# Altium PCB IntelligentCarFor51PcbDoc.PcbDoc (part 6 of 14) (continued)
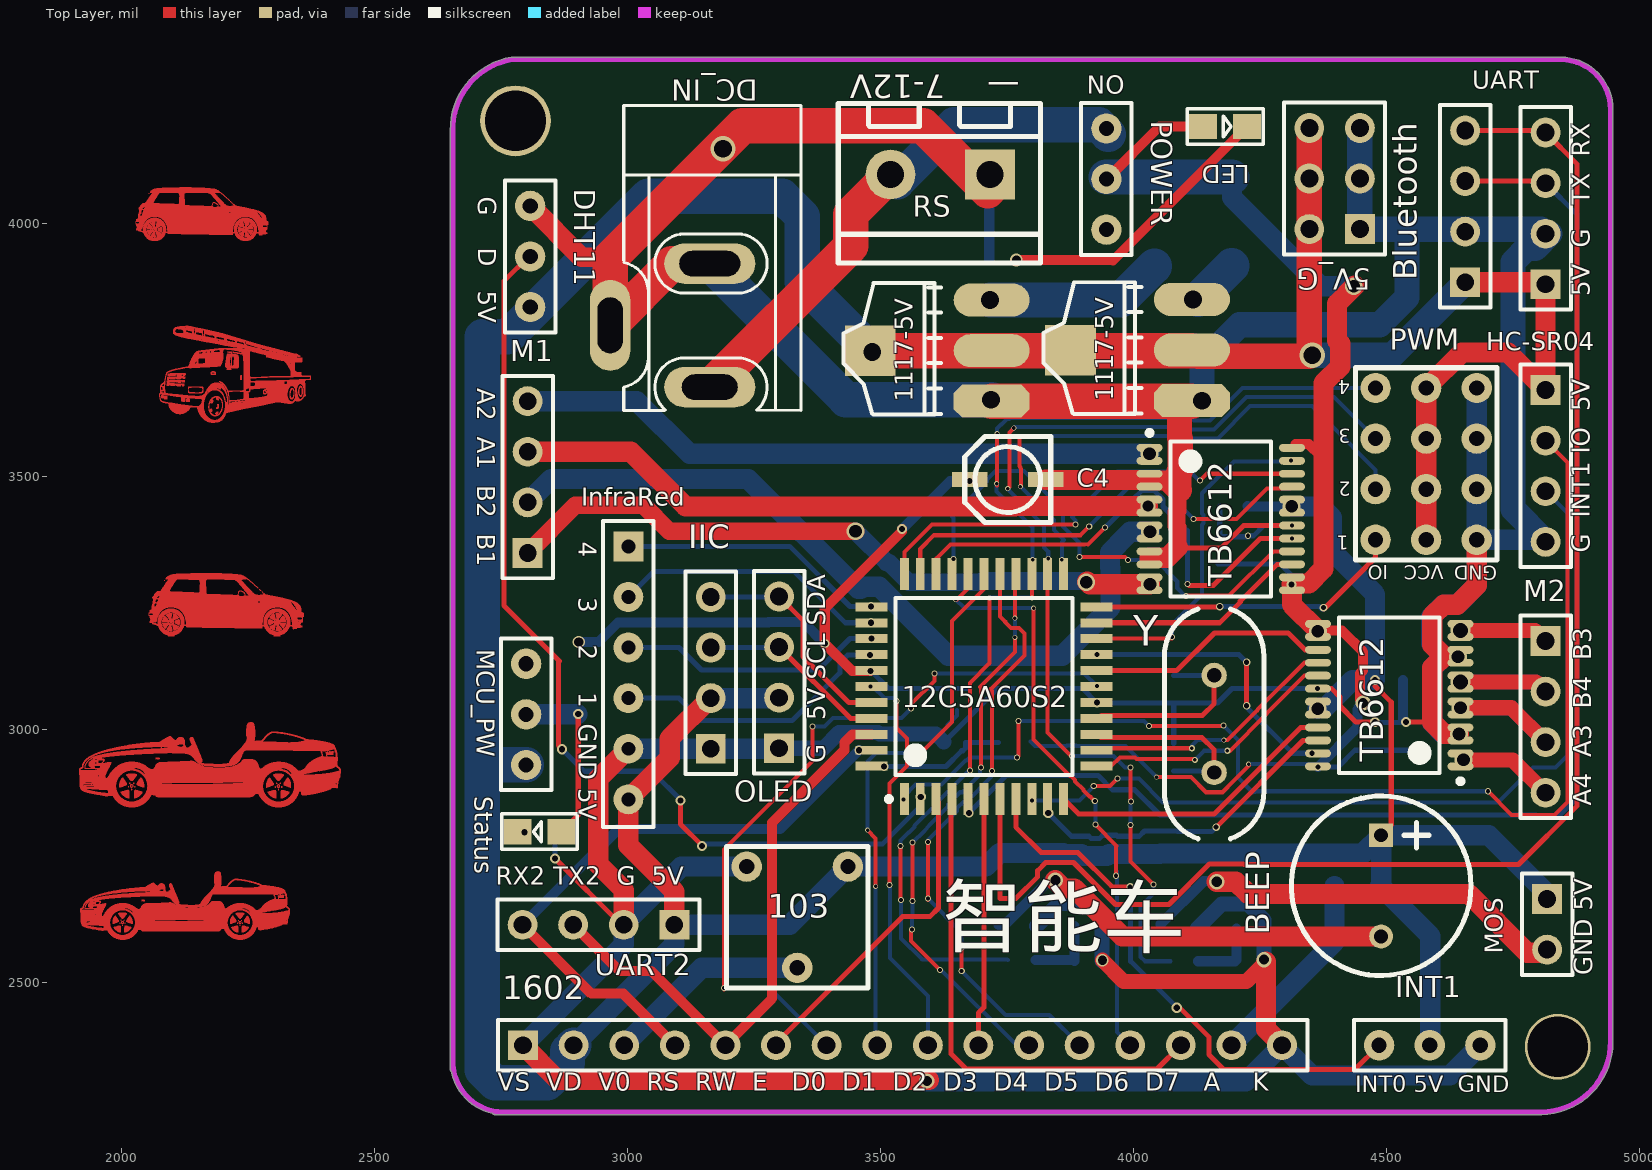
[diagram p0: Top Layer view]
## Nets (pads, with @x,y where several pads share a name; then routed paths per layer and width w, separated by ;. In a path a pad name is that pad's centre, name@x,y a point inside that pad or via, vN(x,y) a via of type N, cw(c..) or ccw(c..) an arc to the next point about the centre after c; other vN are vias at no path point) (continued)
2265.4,3983.2 ; 2260.9,3983.5 2265.4,3983.5 ; 2260.9,3994.6 2265.4,3994.6 ; 2260.9,3994.9 2265.4,3994.9 ; 2260.9,3995.2 2265.1,3995.2 ; 2260.9,4003.6 2262.4,4003.6 ; 2260.9,4009.6 2265.1,4009.6 ; 2261.2,3974.8 2262.7,3974.8 ; 2261.2,3983.8 2265.4,3983.8 ; 2261.2,3984.1 2265.4,3984.1 ; 2261.2,3984.4 2265.7,3984.4 ; 2261.2,3993.7 2265.7,3993.7 ; 2261.2,3994 2265.7,3994 ; 2261.2,3994.3 2265.4,3994.3 ; 2261.2,4003.3 2262.7,4003.3 ; 2261.2,4012.9 2272.9,4012.9 ; 2261.2,4017.4 2269.3,4017.4 ; 2261.3,3758.8 2280.8,3758.8 ; 2261.5,3975.1 2262.7,3975.1 ; 2261.5,3975.4 2263,3975.4 ; 2261.5,3984.7 2265.7,3984.7 ; 2261.5,3985 2265.7,3985 ; 2261.5,3985.3 2265.7,3985.3 ; 2261.5,3985.6 2266,3985.6 ; 2261.5,3992.5 2266,3992.5 ; 2261.5,3992.8 2265.7,3992.8 ; 2261.5,3993.1 2265.7,3993.1 ; 2261.5,3993.4 2265.7,3993.4 ; 2261.5,4003 2263,4003 ; 2261.5,4009.3 2265.4,4009.3 ; 2261.5,4026.7 2265.4,4026.7 ; 2261.6,3687.1 2321.6,3687.1 ; 2261.8,3975.7 2263.3,3975.7 ; 2261.8,3985.9 2266,3985.9 ; 2261.8,3986.2 2266,3986.2 ; 2261.8,3986.5 2266,3986.5 ; 2261.8,3986.8 2266,3986.8 ; 2261.8,3987.1 2266,3987.1 ; 2261.8,3987.4 2266,3987.4 ; 2261.8,3987.7 2266,3987.7 ; 2261.8,3988 2266,3988 ; 2261.8,3988.3 2266,3988.3 ; 2261.8,3989.8 2266,3989.8 ; 2261.8,3990.1 2266,3990.1 ; 2261.8,3990.4 2266,3990.4 ; 2261.8,3990.7 2266,3990.7 ; 2261.8,3991 2266,3991 ; 2261.8,3991.3 2266,3991.3 ; 2261.8,3991.6 2266,3991.6 ; 2261.8,3991.9 2266,3991.9 ; 2261.8,3992.2 2266,3992.2 ; 2261.8,4002.4 2263.3,4002.4 ; 2261.8,4002.7 2263,4002.7 ; 2261.8,4009 2265.7,4009 ; 2261.8,4017.1 2269.6,4017.1 ; 2261.9,3747.1 2281.4,3747.1 ; 2261.9,3752.8 2273.6,3752.8 ; 2262.1,3976 2263.6,3976 ; 2262.1,3988.6 2266.3,3988.6 ; 2262.1,3988.9 2266.3,3988.9 ; 2262.1,3989.2 2266.3,3989.2 ; 2262.1,3989.5 2266,3989.5 ; 2262.1,4002.1 2263.6,4002.1 ; 2262.1,4008.7 2270.5,4008.7 ; 2262.2,3655.3 2328.8,3655.3 ; 2262.2,3758.5 2282,3758.5 ; 2262.4,3976.3 2263.9,3976.3 ; 2262.4,3976.6 2263.9,3976.6 ; 2262.4,4001.8 2263.9,4001.8 ; 2262.4,4008.4 2266,4008.4 ; 2262.4,4012 2267.8,4012 ; 2262.4,4016.8 2269.9,4016.8 ; 2262.7,3976.9 2264.2,3976.9 ; 2262.7,4001.2 2264.2,4001.2 ; 2262.7,4001.5 2263.9,4001.5 ; 2262.7,4008.1 2270.8,4008.1 ; 2262.7,4016.5 2270.2,4016.5 ; 2262.7,4026.4 2266.6,4026.4 ; 2262.8,3746.8 2282.3,3746.8 ; 2262.8,3752.5 2273.9,3752.5 ; 2263,3977.2 2264.5,3977.2 ; 2263,4000.9 2264.5,4000.9 ; 2263,4007.8 2266.6,4007.8 ; 2263.1,3679 2333.6,3679 ; 2263.1,3758.2 2283.2,3758.2 ; 2263.3,3977.5 2264.5,3977.5 ; 2263.3,3977.8 2264.8,3977.8 ; 2263.3,4000.3 2264.8,4000.3 ; 2263.3,4000.6 2264.5,4000.6 ; 2263.3,4007.5 2266.9,4007.5 ; 2263.3,4016.2 2270.5,4016.2 ; 2263.4,3686.8 2321.6,3686.8 ; 2263.6,3978.1 2264.8,3978.1 ; 2263.6,4000 2264.8,4000 ; 2263.6,4007.2 2271.4,4007.2 ; 2263.6,4011.1 2274.4,4011.1 ; 2263.6,4026.1 2267.5,4026.1 ; 2263.9,3978.4 2265.1,3978.4 ; 2263.9,3978.7 2265.1,3978.7 ; 2263.9,3999.4 2265.1,3999.4 ; 2263.9,3999.7 2265.1,3999.7 ; 2263.9,4006.9 2278.9,4006.9 ; 2263.9,4010.8 2269,4010.8 ; 2264,3686.5 2321.6,3686.5 ; 2264,3746.5 2283.2,3746.5 ; 2264,3752.2 2274.5,3752.2 ; 2264,3757.9 2284.4,3757.9 ; 2264.2,3979 2265.4,3979 ; 2264.2,3979.3 2265.4,3979.3 ; 2264.2,3998.8 2265.7,3998.8 ; 2264.2,3999.1 2265.4,3999.1 ; 2264.2,4006.3 2272,4006.3 ; 2264.2,4006.6 2267.5,4006.6 ; 2264.2,4015.6 2270.8,4015.6 ; 2264.5,3979.6 2265.7,3979.6 ; 2264.5,3979.9 2265.7,3979.9 ; 2264.5,3998.2 2265.7,3998.2 ; 2264.5,3998.5 2265.7,3998.5 ; 2264.5,4006 2267.8,4006 ; 2264.5,4010.5 2269,4010.5 ; 2264.5,4015.3 2271.1,4015.3 ; 2264.6,3679.3 2334.2,3679.3 ; 2264.6,3679.6 2334.8,3679.6 ; 2264.6,3679.9 2335.4,3679.9 ; 2264.6,3685.9 2321.9,3685.9 ; 2264.6,3686.2 2321.6,3686.2 ; 2264.6,3696.4 2282.6,3696.4 ; 2264.8,3980.2 2266,3980.2 ; 2264.8,3980.5 2266,3980.5 ; 2264.8,3980.8 2266.3,3980.8 ; 2264.8,3997.6 2266,3997.6 ; 2264.8,3997.9 2266,3997.9 ; 2264.8,4005.7 2268.1,4005.7 ; 2264.8,4025.8 2268.4,4025.8 ; 2264.9,3655.6 2328.8,3655.6 ; 2264.9,3680.2 2348.6,3680.2 ; 2264.9,3680.5 2348.9,3680.5 ; 2264.9,3680.8 2348.9,3680.8 ; 2264.9,3681.1 2349.2,3681.1 ; 2264.9,3681.4 2349.5,3681.4 ; 2264.9,3681.7 2349.8,3681.7 ; 2264.9,3682 2349.8,3682 ; 2264.9,3682.3 2350.1,3682.3 ; 2264.9,3682.6 2350.4,3682.6 ; 2264.9,3682.9 2322.5,3682.9 ; 2264.9,3683.2 2322.2,3683.2 ; 2264.9,3684.7 2321.9,3684.7 ; 2264.9,3685 2321.9,3685 ; 2264.9,3685.3 2321.9,3685.3 ; 2264.9,3685.6 2321.9,3685.6 ; 2264.9,3757.6 2285.6,3757.6 ; 2265.1,3981.1 2266.3,3981.1 ; 2265.1,3981.4 2266.3,3981.4 ; 2265.1,3996.7 2266.3,3996.7 ; 2265.1,3997 2266.3,3997 ; 2265.1,3997.3 2266.3,3997.3 ; 2265.1,4005.1 2268.4,4005.1 ; 2265.1,4005.4 2268.4,4005.4 ; 2265.1,4009.9 2269.6,4009.9 ; 2265.2,3683.5 2322.2,3683.5 ; 2265.2,3683.8 2321.9,3683.8 ; 2265.2,3684.1 2321.9,3684.1 ; 2265.2,3684.4 2321.9,3684.4 ; 2265.2,3746.2 2297.6,3746.2 ; 2265.2,3751.9 2275.4,3751.9 ; 2265.4,3981.7 2266.6,3981.7 ; 2265.4,3982 2266.6,3982 ; 2265.4,3982.3 2288.2,3982.3 ; 2265.4,3995.8 2266.6,3995.8 ; 2265.4,3996.1 2266.6,3996.1 ; 2265.4,3996.4 2266.6,3996.4 ; 2265.4,4004.5 2272.9,4004.5 ; 2265.4,4004.8 2268.7,4004.8 ; 2265.4,4009.6 2269.9,4009.6 ; 2265.4,4014.7 2271.4,4014.7 ; 2265.7,3982.6 2286.1,3982.6 ; 2265.7,3982.9 2271.1,3982.9 ; 2265.7,3983.2 2268.4,3983.2 ; 2265.7,3994.9 2266.9,3994.9 ; 2265.7,3995.2 2266.9,3995.2 ; 2265.7,3995.5 2266.9,3995.5 ; 2265.7,4004.2 2269,4004.2 ; 2265.7,4009.3 2269.9,4009.3 ; 2265.7,4014.4 2271.7,4014.4 ; 2265.7,4023.7 2267.5,4023.7 ; 2265.7,4024 2267.5,4024 ; 2265.7,4024.3 2267.5,4024.3 ; 2265.7,4024.6 2267.2,4024.6 ; 2265.7,4024.9 2266.3,4024.9 ; 2265.7,4025.5 2269.3,4025.5 ; 2265.8,3688.9 2321.6,3688.9 ; 2265.8,3757.3 2286.8,3757.3 ; 2266,3983.5 2267.2,3983.5 ; 2266,3983.8 2267.2,3983.8 ; 2266,3984.1 2267.2,3984.1 ; 2266,3984.4 2267.2,3984.4 ; 2266,3984.7 2267.2,3984.7 ; 2266,3993.4 2267.2,3993.4 ; 2266,3993.7 2267.2,3993.7 ; 2266,3994 2267.2,3994 ; 2266,3994.3 2267.2,3994.3 ; 2266,3994.6 2267.2,3994.6 ; 2266,4003.6 2290,4003.6 ; 2266,4003.9 2290,4003.9 ; 2266,4009 2270.2,4009 ; 2266,4014.1 2272,4014.1 ; 2266,4023.1 2267.8,4023.1 ; 2266,4023.4 2267.5,4023.4 ; 2266.1,3751.6 2276.6,3751.6 ; 2266.3,3985 2267.5,3985 ; 2266.3,3985.3 2267.5,3985.3 ; 2266.3,3985.6 2267.5,3985.6 ; 2266.3,3985.9 2267.5,3985.9 ; 2266.3,3986.2 2267.5,3986.2 ; 2266.3,3986.5 2267.5,3986.5 ; 2266.3,3991.9 2267.5,3991.9 ; 2266.3,3992.2 2267.5,3992.2 ; 2266.3,3992.5 2267.5,3992.5 ; 2266.3,3992.8 2267.5,3992.8 ; 2266.3,3993.1 2267.5,3993.1 ; 2266.3,4003.3 2286.4,4003.3 ; 2266.3,4008.4 2277.1,4008.4 ; 2266.3,4013.8 2272.3,4013.8 ; 2266.3,4022.5 2268.1,4022.5 ; 2266.3,4022.8 2267.8,4022.8 ; 2266.3,4025.2 2270.2,4025.2 ; 2266.4,3745.9 2299.1,3745.9 ; 2266.4,3757 2287.7,3757 ; 2266.6,3986.8 2267.8,3986.8 ; 2266.6,3987.1 2267.8,3987.1 ; 2266.6,3987.4 2267.8,3987.4 ; 2266.6,3987.7 2267.8,3987.7 ; 2266.6,3988 2267.8,3988 ; 2266.6,3988.3 2267.8,3988.3 ; 2266.6,3988.6 2267.8,3988.6 ; 2266.6,3988.9 2267.8,3988.9 ; 2266.6,3989.2 2267.8,3989.2 ; 2266.6,3989.5 2267.8,3989.5 ; 2266.6,3989.8 2267.8,3989.8 ; 2266.6,3990.1 2267.8,3990.1 ; 2266.6,3990.4 2267.8,3990.4 ; 2266.6,3990.7 2267.8,3990.7 ; 2266.6,3991 2267.8,3991 ; 2266.6,3991.3 2267.5,3991.3 ; 2266.6,3991.6 2267.5,3991.6 ; 2266.6,4002.7 2286.4,4002.7 ; 2266.6,4003 2273.5,4003 ; 2266.6,4013.5 2272.6,4013.5 ; 2266.6,4022.2 2268.1,4022.2 ; 2266.9,4002.1 2286.4,4002.1 ; 2266.9,4002.4 2269.9,4002.4 ; 2266.9,4007.8 2271.1,4007.8 ; 2266.9,4013.2 2272.6,4013.2 ; 2266.9,4021.6 2268.4,4021.6 ; 2266.9,4021.9 2268.4,4021.9 ; 2267.2,4001.5 2274.1,4001.5 ; 2267.2,4001.8 2270.2,4001.8 ; 2267.2,4007.5 2271.1,4007.5 ; 2267.2,4021.3 2268.7,4021.3 ; 2267.2,4024.9 2271.1,4024.9 ; 2267.3,3655.9 2328.8,3655.9 ; 2267.3,3751.3 2277.5,3751.3 ; 2267.3,3756.7 2288.9,3756.7 ; 2267.5,4000.6 2286.7,4000.6 ; 2267.5,4000.9 2270.5,4000.9 ; 2267.5,4001.2 2286.7,4001.2 ; 2267.5,4020.7 2269,4020.7 ; 2267.5,4021 2268.7,4021 ; 2267.5,4024.6 2272,4024.6 ; 2267.6,3745.6 2300.6,3745.6 ; 2267.8,4000 2274.7,4000 ; 2267.8,4000.3 2286.7,4000.3 ; 2267.8,4006.6 2282.5,4006.6 ; 2267.8,4012.3 2273.5,4012.3 ; 2267.8,4020.4 2269,4020.4 ; 2268.1,3999.1 2287.9,3999.1 ; 2268.1,3999.4 2287.3,3999.4 ; 2268.1,3999.7 2271.1,3999.7 ; 2268.1,4012 2273.8,4012 ; 2268.1,4019.8 2269.6,4019.8 ; 2268.1,4020.1 2269.3,4020.1 ; 2268.1,4024.3 2272.6,4024.3 ; 2268.2,3756.4 2290.1,3756.4 ; 2268.4,3998.5 2271.4,3998.5 ; 2268.4,3998.8 2288.5,3998.8 ; 2268.4,4005.7 2286.7,4005.7 ; 2268.4,4006 2272,4006 ; 2268.4,4011.7 2274.1,4011.7 ; 2268.4,4019.5 2269.9,4019.5 ; 2268.5,3751 2278.7,3751 ; 2268.7,3982 2278.3,3982 ; 2268.7,3997.6 2288.8,3997.6 ; 2268.7,3997.9 2288.8,3997.9 ; 2268.7,3998.2 2289.1,3998.2 ; 2268.7,4005.1 2272.6,4005.1 ; 2268.7,4005.4 2287,4005.4 ; 2268.7,4018.9 2270.2,4018.9 ; 2268.7,4019.2 2269.9,4019.2 ; 2268.7,4024 2273.5,4024 ; 2268.8,3745.3 2301.8,3745.3 ; 2269,3996.7 2279.2,3996.7 ; 2269,3997 2279.5,3997 ; 2269,3997.3 2280.1,3997.3 ; 2269,4004.8 2288.8,4004.8 ; 2269,4018.6 2270.5,4018.6 ; 2269.1,3756.1 2291.3,3756.1 ; 2269.3,3995.8 2279.2,3995.8 ; 2269.3,3996.1 2279.2,3996.1 ; 2269.3,3996.4 2279.2,3996.4 ; 2269.3,4004.2 2289.7,4004.2 ; 2269.3,4010.5 2275,4010.5 ; 2269.3,4010.8 2274.7,4010.8 ; 2269.3,4018.3 2270.5,4018.3 ; 2269.3,4023.7 2274.1,4023.7 ; 2269.4,3656.2 2328.5,3656.2 ; 2269.4,3750.7 2279.6,3750.7 ; 2269.6,3994.6 2279.5,3994.6 ; 2269.6,3994.9 2279.5,3994.9 ; 2269.6,3995.2 2279.2,3995.2 ; 2269.6,3995.5 2279.2,3995.5 ; 2269.6,4010.2 2275.3,4010.2 ; 2269.6,4017.7 2271.1,4017.7 ; 2269.6,4018 2270.8,4018 ; 2269.6,4023.4 2274.7,4023.4 ; 2269.7,3755.8 2292.5,3755.8 ; 2269.9,3993.4 2279.8,3993.4 ; 2269.9,3993.7 2279.5,3993.7 ; 2269.9,3994 2279.5,3994 ; 2269.9,3994.3 2279.5,3994.3 ; 2269.9,4009.9 2275.6,4009.9 ; 2269.9,4017.4 2271.4,4017.4 ; 2269.9,4023.1 2275.3,4023.1 ; 2270,3745 2303,3745 ; 2270,3755.5 2293.7,3755.5 ; 2270.2,3992.2 2288.8,3992.2 ; 2270.2,3992.5 2288.5,3992.5 ; 2270.2,3992.8 2280.7,3992.8 ; 2270.2,3993.1 2280.1,3993.1 ; 2270.2,4002.4 2273.8,4002.4 ; 2270.2,4009.3 2276.2,4009.3 ; 2270.2,4009.6 2275.9,4009.6 ; 2270.2,4017.1 2271.4,4017.1 ; 2270.2,4022.8 2275.9,4022.8 ; 2270.3,3755.2 2294.9,3755.2 ; 2270.5,3990.4 2281.3,3990.4 ; 2270.5,3990.7 2281.9,3990.7 ; 2270.5,3991 2282.2,3991 ; 2270.5,3991.3 2288.8,3991.3 ; 2270.5,3991.6 2288.5,3991.6 ; 2270.5,3991.9 2288.5,3991.9 ; 2270.5,4001.8 2286.4,4001.8 ; 2270.5,4009 2276.5,4009 ; 2270.5,4016.8 2271.7,4016.8 ; 2270.6,3750.4 2280.8,3750.4 ; 2270.6,3753.7 2273,3753.7 ; 2270.6,3754 2273,3754 ; 2270.6,3754.3 2273,3754.3 ; 2270.6,3754.6 2273.3,3754.6 ; 2270.6,3754.9 2273.9,3754.9 ; 2270.8,3988.9 2280.7,3988.9 ; 2270.8,3989.2 2280.7,3989.2 ; 2270.8,3989.5 2281,3989.5 ; 2270.8,3989.8 2281,3989.8 ; 2270.8,3990.1 2281.3,3990.1 ; 2270.8,4000.9 2286.7,4000.9 ; 2270.8,4008.7 2276.8,4008.7 ; 2270.8,4016.2 2272.3,4016.2 ; 2270.8,4016.5 2272,4016.5 ; 2270.8,4022.5 2276.8,4022.5 ; 2270.9,3696.7 2288.3,3696.7 ; 2271.1,3986.8 2278,3986.8 ; 2271.1,3987.1 2281,3987.1 ; 2271.1,3987.4 2280.7,3987.4 ; 2271.1,3987.7 2280.7,3987.7 ; 2271.1,3988 2280.4,3988 ; 2271.1,3988.3 2280.7,3988.3 ; 2271.1,3988.6 2280.7,3988.6 ; 2271.1,4008.1 2277.4,4008.1 ; 2271.1,4015.9 2272.3,4015.9 ; 2271.1,4022.2 2277.1,4022.2 ; 2271.2,3744.7 2304.2,3744.7 ; 2271.4,3981.7 2278.9,3981.7 ; 2271.4,3984.4 2284.9,3984.4 ; 2271.4,3984.7 2284.6,3984.7 ; 2271.4,3985 2284.6,3985 ; 2271.4,3985.3 2284.9,3985.3 ; 2271.4,3985.6 2280.4,3985.6 ; 2271.4,3985.9 2284.9,3985.9 ; 2271.4,3986.2 2278.9,3986.2 ; 2271.4,3986.5 2278.6,3986.5 ; 2271.4,3999.7 2287.3,3999.7 ; 2271.4,4007.5 2278,4007.5 ; 2271.4,4007.8 2277.7,4007.8 ; 2271.4,4015.6 2272.6,4015.6 ; 2271.4,4021.9 2277.7,4021.9 ; 2271.7,3982.9 2276.5,3982.9 ; 2271.7,3983.2 2276.2,3983.2 ; 2271.7,3983.5 2275.9,3983.5 ; 2271.7,3983.8 2275.6,3983.8 ; 2271.7,3984.1 2275.3,3984.1 ; 2271.7,3998.5 2290.3,3998.5 ; 2271.7,4007.2 2278.3,4007.2 ; 2271.7,4015 2273.2,4015 ; 2271.7,4015.3 2272.9,4015.3 ; 2271.7,4021.6 2278.3,4021.6 ; 2271.8,3656.5 2328.5,3656.5 ; 2271.8,3689.2 2321.9,3689.2 ; 2271.8,3750.1 2281.7,3750.1 ; 2272,3979.9 2278.9,3979.9 ; 2272,3980.2 2283.4,3980.2 ; 2272,3980.5 2287.9,3980.5 ; 2272,3980.8 2287.9,3980.8 ; 2272,3981.1 2280.4,3981.1 ; 2272,3981.4 2287.9,3981.4 ; 2272,4014.7 2273.5,4014.7 ; 2272,4021.3 2278.9,4021.3 ; 2272.3,3978.4 2278.6,3978.4 ; 2272.3,3978.7 2278.6,3978.7 ; 2272.3,3979 2278.6,3979 ; 2272.3,3979.3 2278.6,3979.3 ; 2272.3,3979.6 2278.6,3979.6 ; 2272.3,4006.3 2282.5,4006.3 ; 2272.3,4014.4 2273.5,4014.4 ; 2272.3,4021 2279.2,4021 ; 2272.4,3744.4 2305.1,3744.4 ; 2272.6,3977.5 2273.5,3977.5 ; 2272.6,3977.8 2273.5,3977.8 ; 2272.6,3978.1 2274.1,3978.1 ; 2272.6,4006 2283.4,4006 ; 2272.6,4014.1 2273.8,4014.1 ; 2272.6,4020.7 2279.5,4020.7 ; 2272.7,3749.8 2282.9,3749.8 ; 2272.9,4005.1 2287.9,4005.1 ; 2272.9,4013.5 2274.4,4013.5 ; 2272.9,4013.8 2274.1,4013.8 ; 2272.9,4020.4 2280.1,4020.4 ; 2273.2,4004.5 2289.4,4004.5 ; 2273.2,4013.2 2274.7,4013.2 ; 2273.2,4020.1 2280.4,4020.1 ; 2273.5,4012.9 2274.7,4012.9 ; 2273.5,4019.8 2281,4019.8 ; 2273.6,3744.1 2292.5,3744.1 ; 2273.8,4003 2286.4,4003 ; 2273.8,4012.6 2275,4012.6 ; 2273.8,4019.5 2281.3,4019.5 ; 2273.9,3656.8 2328.5,3656.8 ; 2273.9,3749.5 2283.8,3749.5 ; 2274.1,4002.4 2286.4,4002.4 ; 2274.1,4012.3 2275.3,4012.3 ; 2274.1,4018.9 2281.9,4018.9 ; 2274.1,4019.2 2281.6,4019.2 ; 2274.4,4001.5 2287.3,4001.5 ; 2274.4,4011.7 2275.6,4011.7 ; 2274.4,4012 2275.6,4012 ; 2274.4,4018.6 2282.2,4018.6 ; 2274.7,4011.4 2275.9,4011.4 ; 2274.7,4018.3 2282.5,4018.3 ; 2274.8,3743.8 2283.8,3743.8 ; 2274.8,3754.9 2295.8,3754.9 ; 2275,4000 2287,4000 ; 2275,4011.1 2276.2,4011.1 ; 2275,4018 2282.8,4018 ; 2275.1,3749.2 2285,3749.2 ; 2275.3,4010.8 2276.5,4010.8 ; 2275.3,4017.4 2283.1,4017.4 ; 2275.3,4017.7 2283.1,4017.7 ; 2275.6,3984.1 2284.9,3984.1 ; 2275.6,4010.5 2276.8,4010.5 ; 2275.6,4017.1 2283.4,4017.1 ; 2275.9,3983.8 2284.9,3983.8 ; 2275.9,4010.2 2277.1,4010.2 ; 2275.9,4016.8 2283.7,4016.8 ; 2276,3657.1 2328.5,3657.1 ; 2276,3743.5 2283.8,3743.5 ; 2276,3754.6 2297,3754.6 ; 2276.2,3983.5 2285.2,3983.5 ; 2276.2,4009.9 2277.4,4009.9 ; 2276.2,4016.2 2284,4016.2 ; 2276.2,4016.5 2284,4016.5 ; 2276.3,3748.9 2285.9,3748.9 ; 2276.5,3983.2 2285.2,3983.2 ; 2276.5,4009.6 2277.4,4009.6 ; 2276.5,4015.9 2284.3,4015.9 ; 2276.6,3697 2297.9,3697 ; 2276.8,3982.9 2285.5,3982.9 ; 2276.8,4009.3 2278,4009.3 ; 2276.8,4015.3 2284.6,4015.3 ; 2276.8,4015.6 2284.3,4015.6 ; 2277.1,4009 2278.3,4009 ; 2277.1,4014.7 2283.4,4014.7 ; 2277.1,4015 2284,4015 ; 2277.2,3743.2 2284.7,3743.2 ; 2277.2,3748.6 2287.1,3748.6 ; 2277.2,3754.3 2298.2,3754.3 ; 2277.4,4008.7 2278.6,4008.7 ; 2277.4,4014.1 2282.8,4014.1 ; 2277.4,4014.4 2283.1,4014.4 ; 2277.7,4008.4 2279.2,4008.4 ; 2277.7,4013.8 2282.5,4013.8 ; 2278,4008.1 2279.5,4008.1 ; 2278,4012.9 2283.1,4012.9 ; 2278,4013.2 2282.5,4013.2 ; 2278,4013.5 2282.5,4013.5 ; 2278.1,3657.4 2328.5,3657.4 ; 2278.1,3754 2299.4,3754 ; 2278.3,3986.8 2285.5,3986.8 ; 2278.3,4007.8 2279.5,4007.8 ; 2278.3,4012.3 2282.2,4012.3 ; 2278.3,4012.6 2282.2,4012.6 ; 2278.4,3742.9 2285.9,3742.9 ; 2278.4,3748.3 2288.3,3748.3 ; 2278.6,3982 2287.9,3982 ; 2278.6,4007.5 2279.5,4007.5 ; 2278.6,4011.7 2282.2,4011.7 ; 2278.6,4012 2282.2,4012 ; 2278.9,3986.5 2285.2,3986.5 ; 2278.9,4010.8 2282.2,4010.8 ; 2278.9,4011.1 2282.2,4011.1 ; 2278.9,4011.4 2282.2,4011.4 ; 2279,3753.7 2300.3,3753.7 ; 2279.2,3981.7 2287.9,3981.7 ; 2279.2,3986.2 2285.2,3986.2 ; 2279.2,4009.9 2282.2,4009.9 ; 2279.2,4010.2 2282.2,4010.2 ; 2279.2,4010.5 2282.2,4010.5 ; 2279.5,4006.9 2282.5,4006.9 ; 2279.5,4009 2282.2,4009 ; 2279.5,4009.3 2282.2,4009.3 ; 2279.5,4009.6 2282.2,4009.6 ; 2279.6,3742.6 2287.1,3742.6 ; 2279.6,3748 2289.5,3748 ; 2279.8,4007.2 2282.5,4007.2 ; 2279.8,4007.5 2282.5,4007.5 ; 2279.8,4007.8 2282.5,4007.8 ; 2279.8,4008.1 2282.5,4008.1 ; 2279.8,4008.4 2283.1,4008.4 ; 2279.8,4008.7 2282.2,4008.7 ; 2279.9,3747.7 2291.6,3747.7 ; 2280.2,3657.7 2328.2,3657.7 ; 2280.2,3665.8 2281.7,3665.8 ; 2280.2,3666.1 2281.7,3666.1 ; 2280.2,3666.4 2281.4,3666.4 ; 2280.2,3666.7 2281.4,3666.7 ; 2280.2,3667 2281.4,3667 ; 2280.2,3667.3 2281.4,3667.3 ; 2280.2,3667.6 2281.4,3667.6 ; 2280.2,3667.9 2281.4,3667.9 ; 2280.2,3668.2 2281.4,3668.2 ; 2280.2,3668.5 2281.4,3668.5 ; 2280.2,3668.8 2281.4,3668.8 ; 2280.2,3669.1 2281.7,3669.1 ; 2280.2,3669.4 2282,3669.4 ; 2280.2,3753.4 2301.5,3753.4 ; 2280.5,3665.2 2282.3,3665.2 ; 2280.5,3665.5 2282,3665.5 ; 2280.5,3669.7 2282,3669.7 ; 2280.5,3670 2282.3,3670 ; 2280.8,3664.6 2285.9,3664.6 ; 2280.8,3664.9 2286.5,3664.9 ; 2280.8,3670.3 2282.9,3670.3 ; 2280.8,3742.3 2312.9,3742.3 ; 2281,3981.1 2287.9,3981.1 ; 2281,3985.6 2284.9,3985.6 ; 2281.1,3664.3 2285.3,3664.3 ; 2281.3,3987.1 2285.5,3987.1 ; 2281.4,3670.6 2285.9,3670.6 ; 2281.4,3753.1 2302.7,3753.1 ; 2281.7,3658 2328.2,3658 ; 2281.7,3664 2285,3664 ; 2281.7,3670.9 2285.9,3670.9 ; 2281.9,3987.4 2285.8,3987.4 ; 2282,3663.7 2283.8,3663.7 ; 2282,3742 2314.1,3742 ; 2282.2,3987.7 2285.8,3987.7 ; 2282.3,3671.2 2286.2,3671.2 ; 2282.3,3697.3 2319.8,3697.3 ; 2282.3,3752.8 2303.9,3752.8 ; 2282.5,3988 2286.1,3988 ; 2282.5,3988.3 2286.4,3988.3 ; 2282.5,4008.7 2283.1,4008.7 ; 2282.5,4009 2283.1,4009 ; 2282.5,4009.3 2283.1,4009.3 ; 2282.5,4009.6 2283.7,4009.6 ; 2282.5,4009.9 2283.7,4009.9 ; 2282.5,4010.2 2283.7,4010.2 ; 2282.5,4010.5 2282.8,4010.5 ; 2282.5,4010.8 2283.1,4010.8 ; 2282.5,4011.1 2286.1,4011.1 ; 2282.5,4011.4 2286.1,4011.4 ; 2282.5,4011.7 2283.7,4011.7 ; 2282.5,4012 2283.7,4012 ; 2282.5,4012.3 2283.1,4012.3 ; 2282.5,4012.6 2283.1,4012.6 ; 2282.6,3747.4 2294.3,3747.4 ; 2282.8,3988.6 2286.7,3988.6 ; 2282.8,3991 2288.8,3991 ; 2282.8,4006.6 2283.4,4006.6 ; 2282.8,4006.9 2283.4,4006.9 ; 2282.8,4007.2 2283.1,4007.2 ; 2282.8,4007.5 2283.1,4007.5 ; 2282.8,4007.8 2283.7,4007.8 ; 2282.8,4008.1 2283.1,4008.1 ; 2282.8,4013.2 2283.1,4013.2 ; 2282.8,4013.5 2283.4,4013.5 ; 2282.8,4013.8 2283.4,4013.8 ; 2282.9,3671.5 2286.2,3671.5 ; 2283.1,3988.9 2286.7,3988.9 ; 2283.1,3989.2 2287.3,3989.2 ; 2283.1,3989.5 2288.5,3989.5 ; 2283.1,3989.8 2288.8,3989.8 ; 2283.1,3990.1 2288.8,3990.1 ; 2283.1,3990.4 2288.8,3990.4 ; 2283.1,3990.7 2288.8,3990.7 ; 2283.1,4006.3 2283.4,4006.3 ; 2283.1,4010.5 2286.1,4010.5 ; 2283.1,4014.1 2283.7,4014.1 ; 2283.2,3741.7 2315.3,3741.7 ; 2283.4,4007.2 2286.7,4007.2 ; 2283.4,4007.5 2284,4007.5 ; 2283.4,4008.1 2283.7,4008.1 ; 2283.4,4008.4 2286.4,4008.4 ; 2283.4,4008.7 2286.4,4008.7 ; 2283.4,4009 2286.4,4009 ; 2283.4,4009.3 2286.4,4009.3 ; 2283.4,4010.8 2286.1,4010.8 ; 2283.4,4012.3 2283.7,4012.3 ; 2283.4,4012.6 2285.8,4012.6 ; 2283.4,4012.9 2285.5,4012.9 ; 2283.4,4014.4 2284.3,4014.4 ; 2283.5,3658.3 2328.2,3658.3 ; 2283.5,3671.8 2286.2,3671.8 ; 2283.5,3747.1 2294.3,3747.1 ; 2283.5,3752.5 2294.3,3752.5 ; 2283.7,4006 2286.7,4006 ; 2283.7,4006.3 2286.7,4006.3 ; 2283.7,4006.6 2286.7,4006.6 ; 2283.7,4006.9 2286.7,4006.9 ; 2283.7,4013.2 2285.5,4013.2 ; 2283.7,4013.5 2285.5,4013.5 ; 2283.8,3672.1 2286.5,3672.1 ; 2284,3980.2 2284.9,3980.2 ; 2284,4013.8 2285.2,4013.8 ; 2284,4014.7 2284.9,4014.7 ; 2284.1,3746.5 2297,3746.5 ; 2284.1,3746.8 2296.7,3746.8 ; 2284.3,4015 2284.9,4015 ; 2284.4,3670 2285.9,3670 ; 2284.4,3670.3 2285.9,3670.3 ; 2284.4,3672.4 2286.8,3672.4 ; 2284.4,3689.5 2322.8,3689.5 ; 2284.4,3741.4 2316.5,3741.4 ; 2284.4,3752.2 2294,3752.2 ; 2284.6,4014.1 2285.2,4014.1 ; 2284.6,4014.4 2285.2,4014.4 ; 2284.7,3658.6 2328.2,3658.6 ; 2284.7,3669.4 2286.2,3669.4 ; 2284.7,3669.7 2285.9,3669.7 ; 2285,3665.2 2287.1,3665.2 ; 2285,3668.8 2286.5,3668.8 ; 2285,3669.1 2286.2,3669.1 ; 2285,3672.7 2287.1,3672.7 ; 2285,3741.1 2317.4,3741.1 ; 2285.3,3668.5 2287.4,3668.5 ; 2285.3,3673 2329.7,3673 ; 2285.5,4011.7 2286.1,4011.7 ; 2285.5,4012 2285.8,4012 ; 2285.5,4012.3 2285.8,4012.3 ; 2285.6,3665.5 2288,3665.5 ; 2285.6,3668.2 2328.5,3668.2 ; 2285.6,3740.5 2319.8,3740.5 ; 2285.6,3740.8 2318.6,3740.8 ; 2285.6,3751.9 2294,3751.9 ; 2285.9,3658.9 2328.2,3658.9 ; 2285.9,3665.8 2328.2,3665.8 ; 2285.9,3667.9 2328.5,3667.9 ; 2285.9,3673.3 2329.7,3673.3 ; 2285.9,3740.2 2320.7,3740.2 ; 2286.1,4009.6 2286.4,4009.6 ; 2286.1,4010.2 2286.4,4010.2 ; 2286.2,3666.1 2328.2,3666.1 ; 2286.2,3667.3 2328.2,3667.3 ; 2286.2,3667.6 2328.2,3667.6 ; 2286.2,3673.6 2330,3673.6 ; 2286.2,3739.3 2324.3,3739.3 ; 2286.2,3739.6 2323.1,3739.6 ; 2286.2,3739.9 2322.2,3739.9 ; 2286.2,3743.8 2292.5,3743.8 ; 2286.4,4007.5 2286.7,4007.5 ; 2286.4,4007.8 2286.7,4007.8 ; 2286.5,3659.2 2328.2,3659.2 ; 2286.5,3666.4 2328.2,3666.4 ; 2286.5,3666.7 2328.2,3666.7 ; 2286.5,3667 2328.2,3667 ; 2286.5,3737.2 2333.6,3737.2 ; 2286.5,3737.5 2332.1,3737.5 ; 2286.5,3737.8 2330.6,3737.8 ; 2286.5,3738.1 2329.1,3738.1 ; 2286.5,3738.4 2327.9,3738.4 ; 2286.5,3738.7 2326.7,3738.7 ; 2286.5,3739 2325.5,3739 ; 2286.7,4001.8 2290.3,4001.8 ; 2286.7,4002.1 2290.3,4002.1 ; 2286.7,4002.4 2290.3,4002.4 ; 2286.7,4002.7 2290.3,4002.7 ; 2286.7,4003 2290.3,4003 ; 2286.7,4003.3 2290.3,4003.3 ; 2286.8,3673.9 2330,3673.9 ; 2286.8,3674.2 2330.3,3674.2 ; 2286.8,3675.7 2330.9,3675.7 ; 2286.8,3736.9 2338.1,3736.9 ; 2286.8,3751.6 2294,3751.6 ; 2287,3992.8 2288.5,3992.8 ; 2287,4000.6 2287.6,4000.6 ; 2287,4000.9 2290.3,4000.9 ; 2287,4001.2 2290.3,4001.2 ; 2287.1,3659.5 2328.2,3659.5 ; 2287.1,3674.5 2330.3,3674.5 ; 2287.1,3675.4 2330.9,3675.4 ; 2287.3,3997.3 2288.8,3997.3 ; 2287.3,4000 2290.3,4000 ; 2287.3,4000.3 2290.3,4000.3 ; 2287.4,3659.8 2327.9,3659.8 ; 2287.4,3674.8 2330.6,3674.8 ; 2287.4,3675.1 2330.6,3675.1 ; 2287.4,3697.6 2339.9,3697.6 ; 2287.6,3993.1 2288.5,3993.1 ; 2287.6,3993.4 2288.8,3993.4 ; 2287.6,3997 2288.8,3997 ; 2287.6,3999.7 2290.3,3999.7 ; 2287.7,3660.1 2327.9,3660.1 ; 2287.7,3668.5 2328.5,3668.5 ; 2287.7,3743.5 2293.1,3743.5 ; 2287.7,3751.3 2294,3751.3 ; 2287.9,3993.7 2288.5,3993.7 ; 2287.9,3994 2288.5,3994 ; 2287.9,3994.3 2288.5,3994.3 ; 2287.9,3994.6 2288.5,3994.6 ; 2287.9,3994.9 2288.5,3994.9 ; 2287.9,3995.2 2288.8,3995.2 ; 2287.9,3996.4 2288.8,3996.4 ; 2287.9,3996.7 2288.8,3996.7 ; 2287.9,3999.4 2290.3,3999.4 ; 2288,3660.4 2327.9,3660.4 ; 2288.2,3995.5 2288.8,3995.5 ; 2288.2,3995.8 2288.8,3995.8 ; 2288.2,3996.1 2288.8,3996.1 ; 2288.3,3660.7 2327.9,3660.7 ; 2288.3,3661 2327.9,3661 ; 2288.3,3665.5 2327.9,3665.5 ; 2288.3,3672.4 2329.4,3672.4 ; 2288.3,3672.7 2329.7,3672.7 ; 2288.3,3736.6 2338.1,3736.6 ; 2288.5,3999.1 2290.3,3999.1 ; 2288.6,3661.3 2327.9,3661.3 ; 2288.6,3661.6 2327.9,3661.6 ; 2288.6,3665.2 2327.9,3665.2 ; 2288.6,3668.8 2328.5,3668.8 ; 2288.6,3669.1 2328.5,3669.1 ; 2288.6,3669.4 2328.8,3669.4 ; 2288.6,3671.5 2329.1,3671.5 ; 2288.6,3671.8 2329.4,3671.8 ; 2288.6,3672.1 2329.4,3672.1 ; 2288.6,3742.6 2312,3742.6 ; 2288.6,3743.2 2309.6,3743.2 ; 2288.9,3661.9 2327.9,3661.9 ; 2288.9,3662.2 2327.9,3662.2 ; 2288.9,3662.5 2327.9,3662.5 ; 2288.9,3662.8 2327.9,3662.8 ; 2288.9,3663.1 2327.9,3663.1 ; 2288.9,3663.4 2327.9,3663.4 ; 2288.9,3663.7 2327.9,3663.7 ; 2288.9,3664 2327.9,3664 ; 2288.9,3664.3 2327.9,3664.3 ; 2288.9,3664.6 2327.9,3664.6 ; 2288.9,3664.9 2327.9,3664.9 ; 2288.9,3669.7 2328.8,3669.7 ; 2288.9,3670 2328.8,3670 ; 2288.9,3670.3 2328.8,3670.3 ; 2288.9,3670.6 2329.1,3670.6 ; 2288.9,3670.9 2329.1,3670.9 ; 2288.9,3671.2 2329.1,3671.2 ; 2288.9,3742.9 2310.8,3742.9 ; 2289.2,3751 2294,3751 ; 2289.8,3736.3 2346.5,3736.3 ; 2290,3998.8 2290.3,3998.8 ; 2290.1,3750.7 2294,3750.7 ; 2291,3736 2346.5,3736 ; 2291.3,3750.4 2294,3750.4 ; 2292.5,3735.7 2346.8,3735.7 ; 2292.5,3750.1 2294,3750.1 ; 2292.8,3697.9 2347.4,3697.9 ; 2292.8,3747.7 2294.3,3747.7 ; 2292.8,3748 2294.3,3748 ; 2292.8,3748.3 2294.3,3748.3 ; 2292.8,3748.6 2294,3748.6 ; 2292.8,3748.9 2294,3748.9 ; 2292.8,3749.2 2294,3749.2 ; 2292.8,3749.5 2294,3749.5 ; 2292.8,3749.8 2294,3749.8 ; 2293.4,3735.4 2347.1,3735.4 ; 2294.6,3752.5 2305.1,3752.5 ; 2294.9,3735.1 2347.4,3735.1 ; 2294.9,3744.1 2306.3,3744.1 ; 2294.9,3747.1 2296.7,3747.1 ; 2294.9,3747.4 2296.4,3747.4 ; 2294.9,3747.7 2296.4,3747.7 ; 2294.9,3748 2296.4,3748 ; 2294.9,3748.3 2296.7,3748.3 ; 2294.9,3751 2310.8,3751 ; 2294.9,3751.3 2309.6,3751.3 ; 2294.9,3751.6 2308.4,3751.6 ; 2294.9,3751.9 2307.2,3751.9 ; 2294.9,3752.2 2306,3752.2 ; 2295.2,3748.6 2319.8,3748.6 ; 2295.2,3748.9 2318.9,3748.9 ; 2295.2,3749.2 2317.7,3749.2 ; 2295.2,3749.5 2316.5,3749.5 ; 2295.2,3749.8 2315.3,3749.8 ; 2295.2,3750.1 2314.1,3750.1 ; 2295.2,3750.4 2313.2,3750.4 ; 2295.2,3750.7 2312,3750.7 ; 2295.5,3743.5 2308.7,3743.5 ; 2295.5,3743.8 2307.5,3743.8 ; 2295.8,3734.8 2348.3,3734.8 ; 2296.7,3689.8 2362.7,3689.8 ; 2297,3734.5 2357.6,3734.5 ; 2298.2,3734.2 2357.6,3734.2 ; 2298.8,3748.3 2321,3748.3 ; 2299.4,3748 2322.2,3748 ; 2299.7,3733.9 2357.6,3733.9 ; 2300.3,3747.7 2323.4,3747.7 ; 2300.9,3733.6 2357.6,3733.6 ; 2301.5,3747.4 2324.6,3747.4 ; 2302.4,3733.3 2357.6,3733.3 ; 2302.4,3747.1 2325.5,3747.1 ; 2303.6,3733 2357.9,3733 ; 2303.6,3746.8 2326.7,3746.8 ; 2304.5,3746.5 2327.9,3746.5 ; 2304.8,3732.7 2357.9,3732.7 ; 2305.7,3746.2 2329.1,3746.2 ; 2306,3732.4 2357.9,3732.4 ; 2306.9,3745.9 2330.3,3745.9 ; 2307.5,3690.1 2363,3690.1 ; 2307.5,3732.1 2357.9,3732.1 ; 2307.8,3745.6 2331.5,3745.6 ; 2309,3731.8 2357.9,3731.8 ; 2309,3745.3 2332.4,3745.3 ; 2310.2,3745 2333.6,3745 ; 2310.5,3731.5 2357.9,3731.5 ; 2311.4,3744.7 2334.8,3744.7 ; 2312,3647.8 2340.8,3647.8 ; 2312,3731.2 2357.9,3731.2 ; 2312.6,3744.4 2336,3744.4 ; 2313.5,3730.9 2357.9,3730.9 ; 2313.8,3744.1 2337.2,3744.1 ; 2314.4,3647.5 2340.5,3647.5 ; 2315,3730.6 2357.9,3730.6 ; 2315,3743.8 2338.4,3743.8 ; 2315.9,3743.5 2339.6,3743.5 ; 2316.2,3647.2 2340.2,3647.2 ; 2316.5,3690.4 2363,3690.4 ; 2316.5,3730.3 2357.9,3730.3 ; 2317.4,3743.2 2342.9,3743.2 ; 2318,3646.9 2339.9,3646.9 ; 2318.3,3730 2357.9,3730 ; 2318.6,3742.9 2344.7,3742.9 ; 2319.8,3646.6 2339.3,3646.6 ; 2319.8,3698.2 2354.9,3698.2 ; 2319.8,3729.7 2357.6,3729.7 ; 2319.8,3742.6 2345.6,3742.6 ; 2320.7,3729.4 2357.6,3729.4 ; 2321,3742.3 2346.5,3742.3 ; 2321.6,3646.3 2338.7,3646.3 ; 2321.6,3729.1 2357.6,3729.1 ; 2322.2,3728.8 2357.6,3728.8 ; 2322.2,3742 2347.1,3742 ; 2322.8,3728.5 2357.6,3728.5 ; 2323.1,3646 2338.1,3646 ; 2323.1,3728.2 2357.6,3728.2 ; 2323.4,3741.7 2347.7,3741.7 ; 2323.7,3727.9 2357.6,3727.9 ; 2324,3727.6 2357.6,3727.6 ; 2324.3,3727.3 2356.7,3727.3 ; 2324.6,3727 2354.6,3727 ; 2324.6,3741.4 2348.3,3741.4 ; 2324.9,3726.7 2343.5,3726.7 ; 2325.2,3645.7 2337.5,3645.7 ; 2325.2,3726.4 2342.6,3726.4 ; 2325.5,3690.7 2363,3690.7 ; 2325.5,3726.1 2332.4,3726.1 ; 2325.8,3725.5 2332.4,3725.5 ; 2325.8,3725.8 2332.4,3725.8 ; 2326.1,3682.9 2350.7,3682.9 ; 2326.1,3725.2 2332.4,3725.2 ; 2326.1,3741.1 2348.9,3741.1 ; 2326.4,3724.6 2332.7,3724.6 ; 2326.4,3724.9 2332.7,3724.9 ; 2326.7,3724.3 2333,3724.3 ; 2327,3645.4 2336.9,3645.4 ; 2327,3723.7 2333.3,3723.7 ; 2327,3724 2333,3724 ; 2327.3,3683.2 2351,3683.2 ; 2327.3,3723.4 2333.3,3723.4 ; 2327.3,3740.8 2349.5,3740.8 ; 2327.6,3689.5 2362.7,3689.5 ; 2327.6,3722.8 2333.9,3722.8 ; 2327.6,3723.1 2333.6,3723.1 ; 2327.9,3683.5 2351.3,3683.5 ; 2327.9,3683.8 2351.9,3683.8 ; 2327.9,3722.2 2334.2,3722.2 ; 2327.9,3722.5 2333.9,3722.5 ; 2328.2,3684.1 2352.8,3684.1 ; 2328.2,3684.4 2363,3684.4 ; 2328.2,3684.7 2362.7,3684.7 ; 2328.2,3685 2362.7,3685 ; 2328.2,3685.3 2362.7,3685.3 ; 2328.2,3685.6 2362.7,3685.6 ; 2328.2,3685.9 2362.7,3685.9 ; 2328.2,3686.2 2362.7,3686.2 ; 2328.2,3686.5 2362.7,3686.5 ; 2328.2,3686.8 2362.7,3686.8 ; 2328.2,3687.1 2362.7,3687.1 ; 2328.2,3687.4 2362.7,3687.4 ; 2328.2,3687.7 2362.7,3687.7 ; 2328.2,3688 2362.7,3688 ; 2328.2,3688.3 2362.7,3688.3 ; 2328.2,3688.6 2362.7,3688.6 ; 2328.2,3688.9 2362.7,3688.9 ; 2328.2,3689.2 2362.7,3689.2 ; 2328.2,3721.6 2342.3,3721.6 ; 2328.2,3721.9 2342.3,3721.9 ; 2328.2,3740.5 2350.1,3740.5 ; 2328.5,3721 2342.3,3721 ; 2328.5,3721.3 2342.3,3721.3 ; 2328.8,3720.7 2342.3,3720.7 ; 2329.1,3645.1 2335.7,3645.1 ; 2329.1,3720.1 2342.3,3720.1 ; 2329.1,3720.4 2342.3,3720.4 ; 2329.4,3719.5 2342.3,3719.5 ; 2329.4,3719.8 2342.3,3719.8 ; 2329.4,3740.2 2350.4,3740.2 ; 2329.7,3718.9 2342.3,3718.9 ; 2329.7,3719.2 2342.3,3719.2 ; 2330,3718.6 2342.3,3718.6 ; 2330.3,3718 2342.3,3718 ; 2330.3,3718.3 2342.3,3718.3 ; 2330.3,3739.9 2338.1,3739.9 ; 2330.6,3698.5 2374.7,3698.5 ; 2330.6,3717.7 2342.3,3717.7 ; 2330.9,3717.1 2342.3,3717.1 ; 2330.9,3717.4 2342.3,3717.4 ; 2331.2,3716.5 2342.3,3716.5 ; 2331.2,3716.8 2342.3,3716.8 ; 2331.2,3739.6 2338.1,3739.6 ; 2331.5,3715.9 2342.3,3715.9 ; 2331.5,3716.2 2342.3,3716.2 ; 2331.8,3715.6 2342.3,3715.6 ; 2332.1,3715 2342.3,3715